# Allegro board LAY-38820_A.brd (continued)
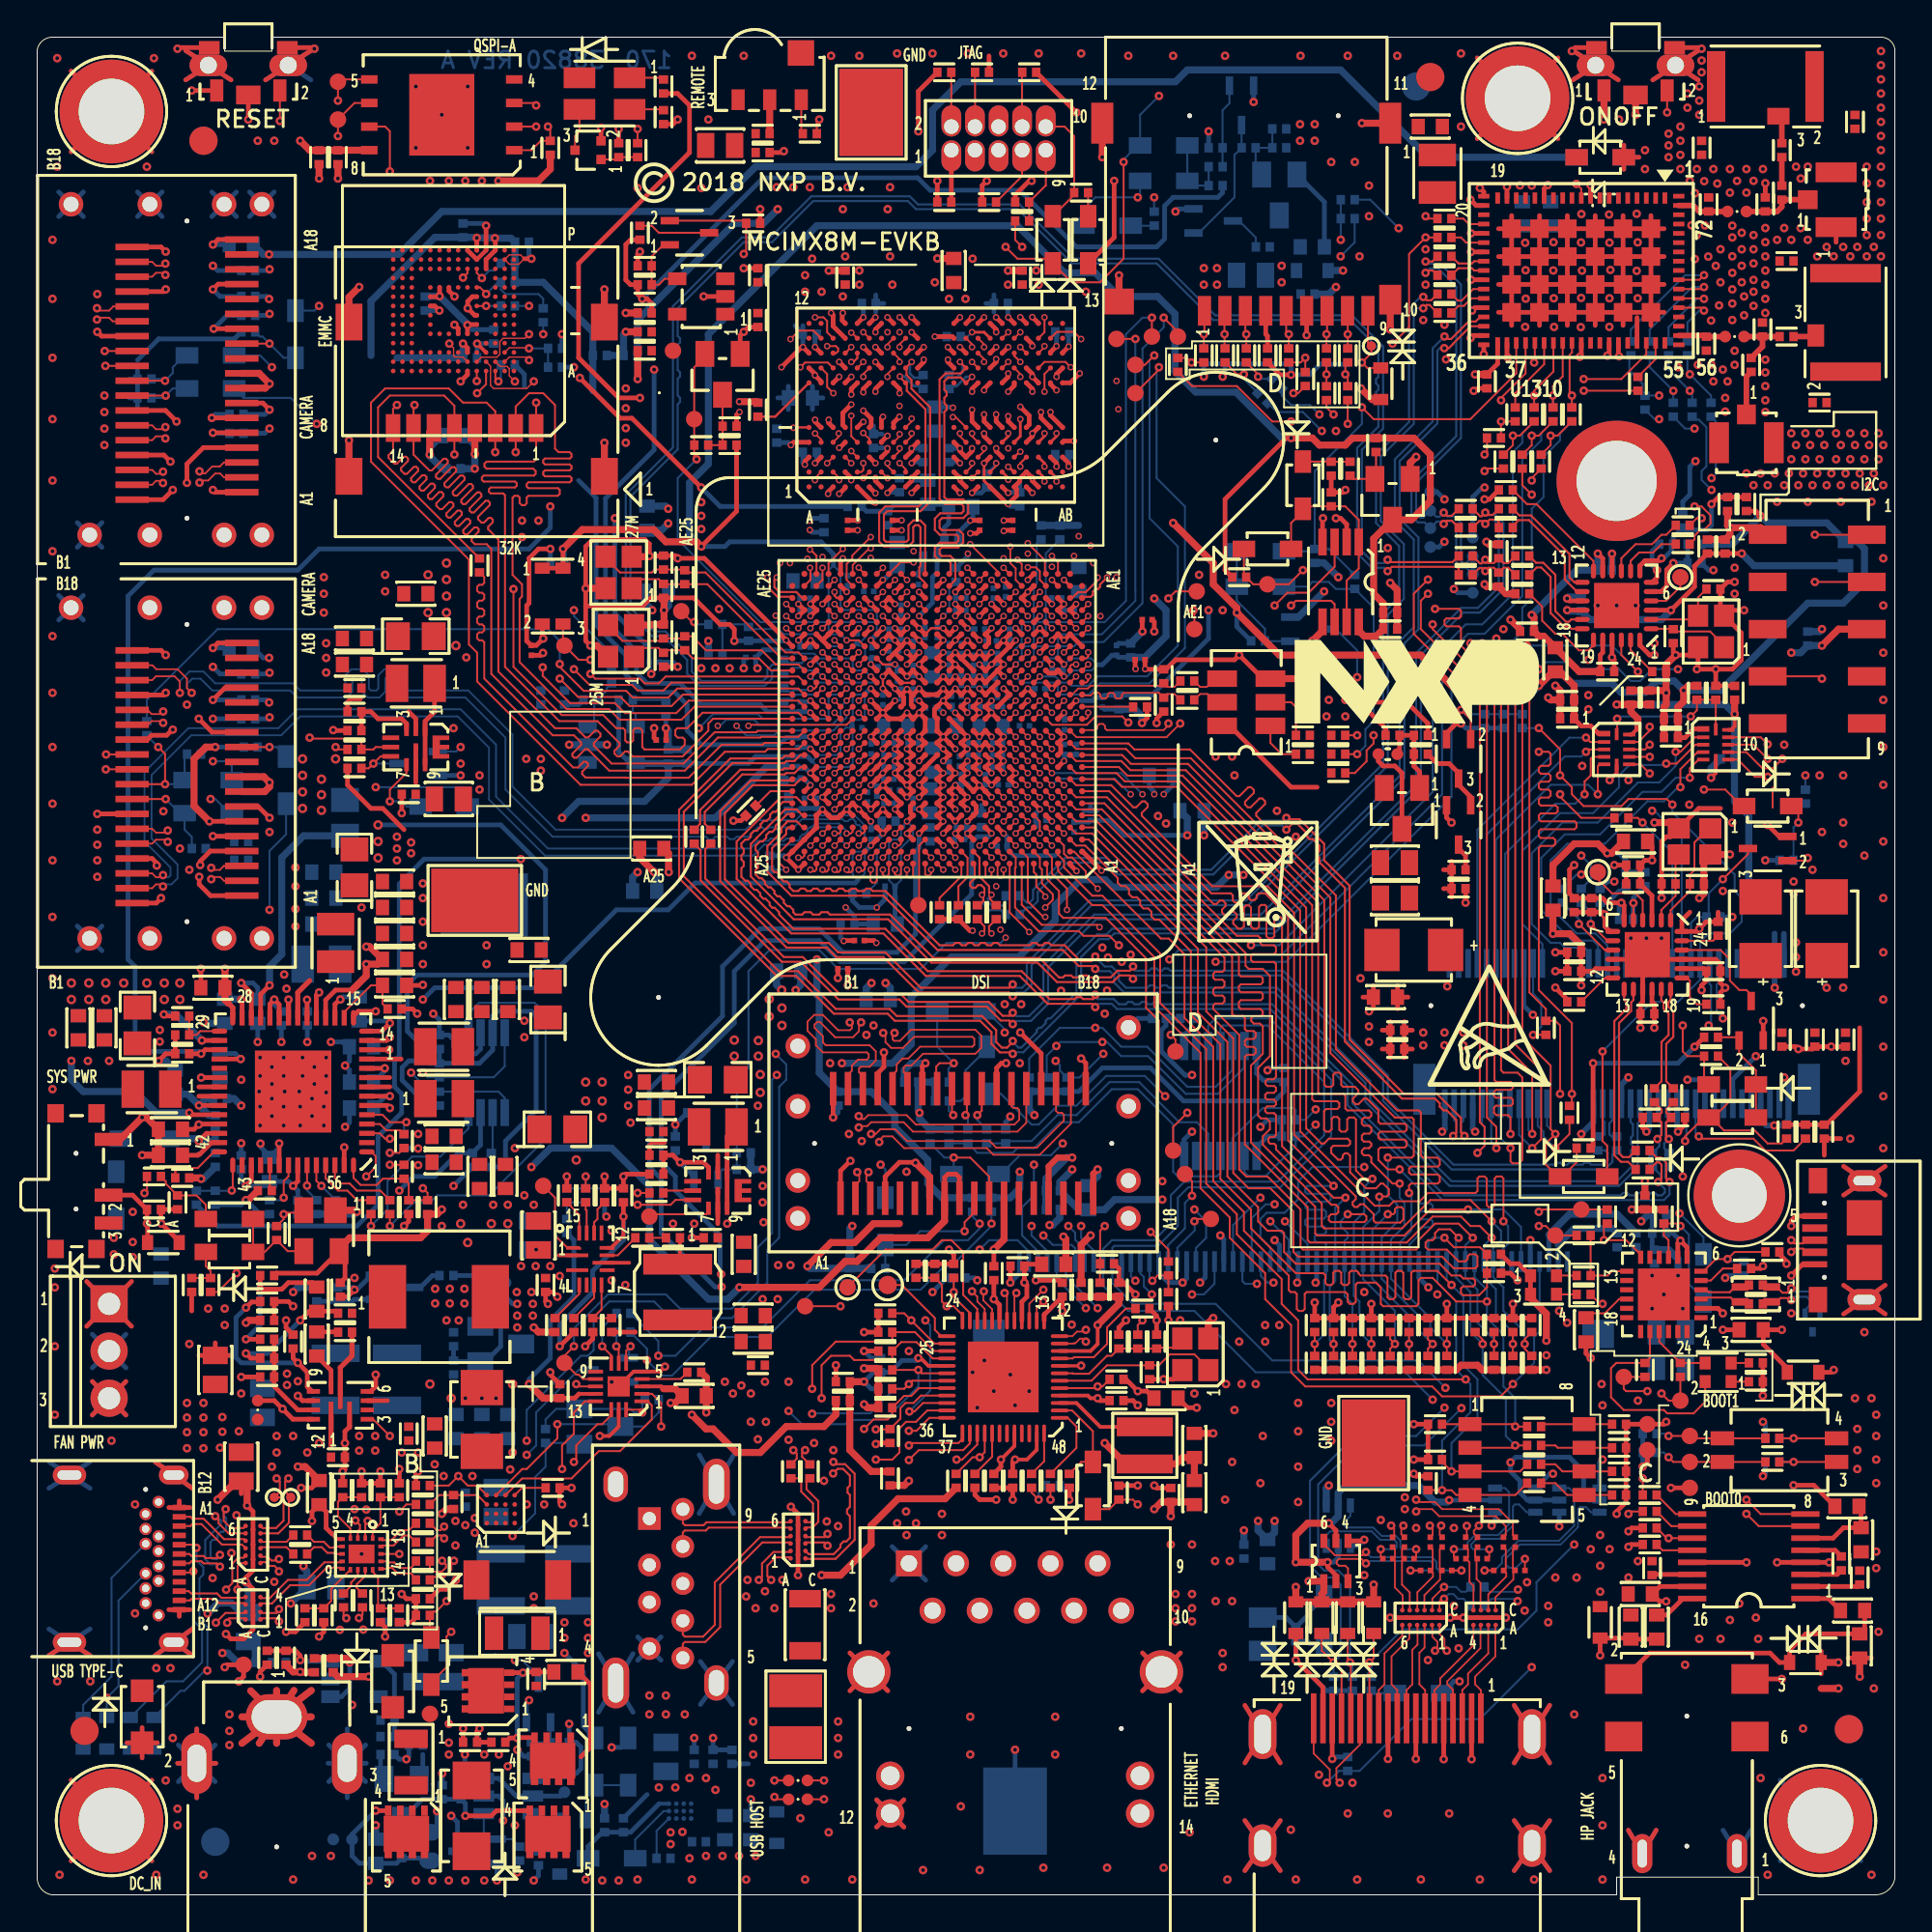
[diagram p0: board, top side]
## Routing (per net, layer and track width the routed paths; a pad name or vN(x,y) marks a point on that pad's centre or on a via; arc(x,y) is an arc through that point) (continued)
  BOTTOM w0.107: R1446.1 88.07,79.56 88.71,78.93 v1(89.22,78.93)
N103823996: length 24.8
  TOP w0.107: v1(93.15,60.18) 92.47,60.18 91.54,61.11 U1403.7
  L8_INT_3 w0.076: v1(93.15,60.18) 93.59,60.18 94.55,61.15 94.55,62.55 93.47,63.63 93.47,72.39 91.38,74.48 91.38,75.02 v1(90.13,76.26)
  BOTTOM w0.107: R1449.1 90.36,79.32 90.36,76.49 v1(90.13,76.26)
N103824335: length 15.3
  TOP w0.107: U1402.12 85.05,62.51 v1(85.05,63.31) ; U1403.12 R1451.1 R1450.2 89.34,63.77 v1(89.01,63.44) ; v1(89.72,59.5) 90.87,59.5 91.76,58.61 D1403.A
  L8_INT_3 w0.076: v1(89.72,59.5) 89.47,59.75 89.47,62.98 v1(89.01,63.44)
  BOTTOM w0.107: v1(89.01,63.44) 85.18,63.44 v1(85.05,63.31)
N103937829: length 2.2
  TOP w0.107: U706.6 29.98,32.13 R732.2
N103959207: length 4.5
  BOTTOM w0.254: U909.4 18.54,12.57 19.23,11.88 R902.2 R933.1
N104086960: length 1.9
  TOP w0.127: U101.V18 45.53,66.23 v2(46.18,66.23)
  BOTTOM w0.254: L104.2 46.32,66.09 v2(46.18,66.23) 45.93,66.23 C146.2
N104210444: length 18
  TOP w0.107: U101.AB14 v2(47.48,69.48) ; TP201.1 62.29,69.09 v1(62.24,69.14)
  L6_INT_2 w0.076: v1(62.24,69.14) 59.75,69.14 58.46,67.86 55.76,67.86 55.6,68.02 55.6,68.97 55.4,69.16 47.8,69.16 v2(47.48,69.48)
N104210445: length 15.6
  TOP w0.107: TP202.1 61.28,70.17 v1(60.9,69.79) ; U101.AC13 v2(48.77,70.13)
  L8_INT_3 w0.076: v2(48.77,70.13) 49.09,69.82 49.09,69.35 49.29,69.15 56.83,69.15 57.97,70.29 60.39,70.29 v1(60.9,69.79)
N104227606: length 3.5
  BOTTOM w0.107: D904.C 32.19,2.98 33.72,4.51 U905.A2
N104229370: length 2.4
  BOTTOM w0.107: U905.A3 33.34,3.44 R937.1
N104238302: length 1.9
  TOP w0.107: D1601.1 33.62,97.81 R1622.2
N104270741: length 7
  BOTTOM w0.254: 81.38,35.53 J1801.3
  BOTTOM w0.381: 81.38,35.53 82.49,36.64 85.05,36.64 R1804.1
N104271750: length 3
  TOP w0.107: v1(60.03,33.06) 60.31,33.34 R1802.1 R1803.1
  BOTTOM w0.107: J1801.46 59.88,33.21 v1(60.03,33.06)
N104279466: length 2.9
  TOP w0.107: U1401.8 84.53,51.36 v1(83.63,52.26)
  BOTTOM w0.107: v1(83.63,52.26) 83.63,52.9 R1452.2
N104279469: length 3.9
  TOP w0.107: v1(82.99,52.26) 84.4,50.86 U1401.9
  BOTTOM w0.107: v1(82.99,52.26) 82.99,52.52 R1453.2
N104332864: length 3
  TOP w0.107: Y501.2 67.5,64.2 67.76,63.94 R509.2
N104367931: length 3.4
  BOTTOM w0.107: U703.4 32.22,63.54 32.06,63.7 R758.1 33.71,64.32 R759.1
N104519577: length 4.2
  TOP w0.107: R418.1 R407.1 54.29,92.01 54.3,92.01 54.3,93.91 J401.9
N104595634: length 9
  TOP w0.102: R1012.2 v1(73.93,17.46) ; v1(71.53,17.84) 71.29,18.08 70.07,18.08 69.96,17.97 69.96,17.83 70.07,17.72 70.42,17.72 70.56,17.57 Q1001.3
  BOTTOM w0.102: v1(71.53,17.84) 71.65,17.97 74.99,17.97 75.12,17.84 75.12,17.56 75.02,17.46 v1(73.93,17.46)
N104595636: length 9
  TOP w0.102: Q1001.6 69.26,18.87 69.85,18.29 71.36,18.29 v1(71.53,18.45) ; v1(76.67,17.46) R1013.2
  BOTTOM w0.102: v1(76.67,17.46) 75.45,17.46 75.32,17.59 75.32,17.93 75.08,18.17 71.81,18.17 v1(71.53,18.45)
N104595703: length 6.4
  TOP w0.102: v1(72.33,18.6) 72.33,18.21 R1014.2
  BOTTOM w0.102: v1(72.33,18.6) 73.08,18.6 73.18,18.71 73.18,18.99 73.05,19.11 72.29,19.11 71.84,19.57 69.61,19.57 69.39,19.35 Q1002.3
N104595705: length 6.4
  TOP w0.102: R1015.2 74.23,18.21 v1(74.23,18.6)
  BOTTOM w0.102: v1(74.23,18.6) 73.48,18.6 73.38,18.71 73.38,19.07 73.13,19.32 72.38,19.32 71.92,19.77 70.47,19.77 70.34,19.9 70.34,20.05 70.69,20.4 Q1002.6
N104599354: length 9.2
  TOP w0.102: v1(77.91,17.46) R1016.2
  BOTTOM w0.102: Q1003.3 82.47,21.9 82.74,21.63 82.74,19.87 81.93,19.06 79.73,19.06 78.85,18.18 78.85,17.87 78.45,17.46 v1(77.91,17.46)
N104599356: length 9.1
  TOP w0.102: R1017.2 v1(80.09,18.08)
  BOTTOM w0.102: Q1003.6 83.64,20.6 83.37,20.87 83.04,20.87 82.94,20.77 82.94,19.79 82.01,18.86 79.82,18.86 79.06,18.1 79.06,17.79 79.23,17.61 79.61,17.61 v1(80.09,18.08)
N104599400: length 6.8
  TOP w0.102: R1018.2 76.26,18.21 v1(76.26,18.6)
  BOTTOM w0.102: v1(76.26,18.6) 76.9,18.6 77,18.71 77,18.96 77.41,19.37 78.64,19.37 79.23,19.96 79.23,21.68 79.02,21.9 Q1004.3
N104599402: length 6.8
  TOP w0.102: v1(78.17,18.6) 78.17,18.21 R1019.2
  BOTTOM w0.102: Q1004.6 80.19,20.6 79.77,21.02 79.56,21.02 79.44,20.9 79.44,19.87 78.73,19.16 77.49,19.16 77.2,18.88 77.2,18.71 77.3,18.6 v1(78.17,18.6)
N104602033: length 1.3
  BOTTOM w0.107: R1007.1 71.95,10.86 D1003.C
N104764716: length 3
  TOP w0.107: U1401.5 v1(85.93,53.39)
  BOTTOM w0.254: R1454.2 85.93,53.68 v1(85.93,53.39) 85.91,53.37 R1455.2
N104960202: length 2.9
  BOTTOM w0.107: U703.3 29.72,62.86 29.98,63.13 29.98,64.15 R760.2 30.67,64.84 30.67,64.97 R762.2
N104978637: length 1.6
  BOTTOM w0.254: Q702.3 20.64,32.7 21.27,33.34 R761.2
N105003630: length 1.5
  TOP w0.254: R1462.2 76.89,55.95 76.52,56.32 Q1404.3
N105003644: length 4.8
  TOP w0.254: 73.21,61.4 73.34,61.52 C1441.2 R1460.2 R1461.1 74.11,60.76 74.42,60.45 Q1402.1
N105003650: length 4.1
  TOP w0.254: R1461.2 75.37,60.9 76.01,60.9 76.52,60.39 Q1403.3 76.52,59.75 77.17,59.1 Q1404.2
N105003668: length 5.2
  TOP w0.107: Q1403.2 77.17,63.27 v1(76.64,63.79)
  BOTTOM w0.107: R1459.2 R1458.1 C1439.1 76.88,63.56 v1(76.64,63.79)
N105090550: length 4.9
  TOP w0.107: R1441.1 80.53,46.3 v1(80.53,46.29)
  BOTTOM w0.107: v1(80.53,46.29) 80.96,46.73 80.96,48.07 80.53,48.51 J1401.20
N105095140: length 2.1
  BOTTOM w0.114: J1401.35 84.28,41.71 84.38,41.6 84.38,40.94 84.27,40.82 C1421.2
N105095143: length 2.1
  BOTTOM w0.114: J1401.37 84.78,41.67 84.63,41.53 84.63,40.94 84.75,40.82 C1420.2
N105095283: length 9.1
  TOP w0.107: v1(86.42,57.72) 86.16,57.97 R1438.1
  BOTTOM w0.107: J1401.50 88.03,56.11 v1(86.42,57.72)
N105218199: length 10.4
  TOP w0.381: v1(46.93,22.29) 46.68,22.04 R1227.2
  L8_INT_3 w0.381: v1(46.93,22.29) 45.66,21.02 45.66,16.7 47.05,15.3 J1201.2
N105359085: length 8.9
  TOP w0.254: v1(23.81,8.95) 23.68,8.82 R943.2 R918.1
  L6_INT_2 w0.254: v1(23.81,8.95) 23.56,8.7 23.56,5.52 v1(22.29,4.25)
  BOTTOM w0.254: Q903.3 22.63,3.92 v1(22.29,4.25)
N105714351: length 1.6
  BOTTOM w0.107: Q704.3 36,41.84 R764.2
N106048338: length 7.7
  TOP w0.254: R918.2 25.43,8.44 v1(25.84,8.44) 25.87,8.47 Q908.4 ; Q909.4 v1(26.15,11.96) 26.18,11.99 R919.1 27.8,11.99 C935.2
  BOTTOM w0.254: v1(25.84,8.44) 25.84,11.66 v1(26.15,11.96)
N106073648: length 1.4
  BOTTOM w0.254: R942.1 18.48,6.43 Q902.1
N106076307: length 4.7
  BOTTOM w0.107: R947.2 28.24,2.93 D910.C 27.66,2.34 C933.1 26.68,2.65 U910.6
N106079136: length 2.8
  BOTTOM w0.107: U910.4 26.97,6.27 27.62,6.92 R946.2 R936.1
N106113334: length 1.3
  BOTTOM w0.107: R1436.1 60.13,89.85 D1405.A
N106166151: length 3.1
  BOTTOM w0.254: v1(21.53,4.51) 21.53,3.75 C937.1 20.89,3.36 20.25,2.72 R948.1
N106166194: length 8.2
  TOP w0.254: Q910.4 v1(18.22,4.53)
  BOTTOM w0.254: C937.2 21.01,1.97 R948.2 19.35,1.7 C936.2 17.35,1.7 16.95,2.1 R949.1 16.95,3.26 v1(18.22,4.53)
N106168740: length 3.9
  BOTTOM w0.107: R947.1 29.54,5.41 D903.C D902.C
N106625744: length 1.7
  BOTTOM w0.107: R1529.2 62.17,47.06 62.17,46.8 61.74,46.37 U1501.8
N106628163: length 2.2
  BOTTOM w0.107: U1502.6 24.52,40.01 R1528.2
N106881255: length 2
  TOP w0.114: U1301.27 77.36,87.94 77.23,87.82 76.51,87.82 C1301.2
N106881275: length 1.2
  TOP w0.305: R1306.2 95.69,83.88 E1301.3
N106881292: length 1.9
  TOP w0.114: C1302.2 76.51,87.56 77.23,87.56 77.36,87.44 U1301.28
N106881333: length 2.1
  TOP w0.107: U1301.31 77.21,85.94 76.8,85.53 76.51,85.53 C1311.2
N106881357: length 2.1
  TOP w0.107: U1301.30 77.31,86.44 76.68,85.82 76.48,85.82 C1312.2
N106881402: length 77.5
  TOP w0.114: U1301.34 77.16,84.44 76.22,83.5 76.22,83.48 75.99,83.26 v1(75.74,83.26) ; C1304.2 35.71,56.24 35.71,54.61 40.09,50.23 41.11,50.23 43.14,48.2 46.42,48.2 46.8,47.81 51.12,47.81 51.87,47.07 52.32,47.07 v1(52.51,46.88)
  BOTTOM w0.114: v1(52.51,46.88) 52.68,47.04 53.49,47.04 54.42,47.97 54.42,49.92 57.01,52.51 65.98,52.51 73.6,60.13 73.6,67.37 74.36,68.13 74.36,73.07 73.34,74.08 73.34,77.17 75.37,79.21 75.37,83.12 75.51,83.26 v1(75.74,83.26)
N106881423: length 77.2
  TOP w0.114: C1305.2 35.97,56.29 35.97,54.71 40.19,50.48 41.21,50.48 43.24,48.45 46.52,48.45 46.9,48.07 51.22,48.07 51.97,47.32 52.35,47.32 v1(52.51,47.48) ; U1301.33 77.68,84.94 77.44,84.69 77.06,84.69 76.11,83.75 75.95,83.75 75.81,83.89 v1(75.75,83.89)
  BOTTOM w0.114: v1(52.51,47.48) 52.52,47.48 52.71,47.3 53.39,47.3 54.16,48.07 54.16,50.03 56.9,52.77 65.87,52.77 73.34,60.24 73.34,67.48 74.1,68.24 74.1,72.96 73.09,73.98 73.09,77.28 75.12,79.31 75.12,83.25 v1(75.75,83.89)
N106881427: length 2.4
  TOP w0.305: R1302.2 92.01,81.73 J1301.1
N106881470: length 3.6
  TOP w0.107: v1(89.72,85.28) 89.57,85.44 U1301.60
  BOTTOM w0.107: v1(89.72,85.28) 89.47,85.28 88.84,84.64 R1312.2
N106881490: length 4.7
  TOP w0.107: U1301.61 89.7,85.94 v1(89.72,85.91)
  BOTTOM w0.107: R1313.2 87.82,84.39 89.34,85.91 v1(89.72,85.91)
N106881507: length 5.9
  TOP w0.107: U1301.62 89.61,86.44 v1(89.72,86.55)
  BOTTOM w0.107: v1(89.72,86.55) 89.09,86.55 86.8,84.26 R1314.2
N106881511: length 7.2
  TOP w0.107: U1301.63 89.48,86.94 v1(89.72,87.18)
  BOTTOM w0.107: v1(89.72,87.18) 88.71,87.18 85.79,84.26 R1315.2
N106881616: length 4.5
  TOP w0.107: R1317.2 v1(80.58,80.71) 80.58,80.96 81.62,82 U1301.43
  BOTTOM w0.107: R1317.2 v1(80.58,80.71)
N106881622: length 4.1
  TOP w0.107: R1316.2 79.56,80.83 81.12,82.39 U1301.42
N106881645: length 1.5
  TOP w0.305: R1309.1 R1304.2
N106881647: length 1.5
  TOP w0.305: E1302.3 93.92,95.56 R1309.2
N106881701: length 4.3
  TOP w0.107: R1318.2 v1(81.6,80.71) 81.6,81.22 82.12,81.74 U1301.44
  BOTTOM w0.107: R1318.2 v1(81.6,80.71)
N106881724: length 4.2
  TOP w0.107: U1301.45 82.62,83.02 82.49,82.89 82.49,80.83 v1(82.61,80.71) R1319.2
  BOTTOM w0.107: R1319.2 v1(82.61,80.71)
N106881789: length 1.9
  TOP w0.107: R1305.2 76.64,89.22 76.92,88.94 U1301.25
N106881836: length 1.9
  TOP w0.107: R1320.2 76.77,90.23 77.06,89.94 U1301.23
N106881887: length 2.2
  TOP w0.107: U1301.54 87.12,82.67 R1321.2
N106881908: length 8.7
  TOP w0.254: R1347.2 C1315.1 90.51,75.24 v1(90.13,74.87) ; U1302.7 86.28,71.54 86.55,71.82 87.31,71.82 v1(87.44,71.94)
  BOTTOM w0.254: v1(90.13,74.87) 90.13,73.72 89.88,73.47 88.72,73.47 R1346.2 88.07,73.09 C1316.1 87.97,72.61 87.97,72.35 87.57,71.94 v1(87.44,71.94)
N106881980: length 19.5
  TOP w0.254: U1302.3 87.94,69.16 v1(87.95,69.15) 89.22,70.42 89.22,71.52 C1322.1 C1321.1 v1(91.76,72.21) ; v1(82.36,69.16) U1302.16
  BOTTOM w0.381: v1(91.76,72.21) 92.41,71.55 L1307.1 ; v1(82.36,69.16) 82.41,69.11 C1320.1 83.58,68.64 87.44,68.64 v1(87.95,69.15)
N106882151: length 13.6
  TOP w0.254: v1(84.01,72.2) 84.28,71.93 U1302.11 ; U1302.20 84.28,66.88 84.14,66.74 C1318.1
  TOP w0.381: C1318.1 83.01,65.85 L1306.2 81.1,67.75 80.83,67.75 C1317.1 80.57,68.78 v1(80.45,68.9)
  BOTTOM w0.381: v1(84.01,72.2) 84.02,72.19 C1319.1 82.87,71.31 v1(80.45,68.9)
N106882181: length 4.2
  TOP w0.254: 85.41,92.89 D1302.A ; D1302.A 85.41,94.18 ; D1302.A 86.22,93.53
  BOTTOM w0.254: D1302.A 86.22,93.53 ; D1302.A 85.41,92.89 ; D1302.A 85.41,94.18
  vias: v1(86.55,93.92) v1(86.55,92.9)
N106882183:
  vias: v1(79.82,92.02) v1(80.45,92.01)
N106882420: length 4.4
  TOP w0.107: Y1301.1 90.81,67.26 90.06,68.01 88.19,68.01 C1323.1 88.05,68.16 U1302.1
N106882454: length 4.2
  TOP w0.107: U1302.2 89.2,68.65 Y1301.3 89.41,69.84 C1324.1
N106882458: length 6.1
  TOP w0.114: R1331.1 79.79,74.26 80.41,74.26 82.49,72.18 82.49,70.92 82.75,70.65 U1302.13
N106882530: length 6.3
  TOP w0.114: R1332.1 79.43,73.69 79.74,74 80.3,74 82.23,72.07 82.23,70.81 82.89,70.16 U1302.14
N106882587: length 3.3
  TOP w0.107: R1326.2 87.44,72.71 86.99,72.26 86.23,72.26 85.78,71.81 U1302.8
N106882598: length 4.3
  TOP w0.107: U1302.9 85.28,71.94 86.04,72.71 86.93,72.71 87.44,73.21 87.7,73.21 R1327.2
N106882615: length 5.5
  TOP w0.114: R1333.1 80.69,71.71 81.07,71.71 81.72,71.06 81.72,69.11 82.3,68.53 82.46,68.53 82.58,68.65 U1302.17
N106882658: length 5.5
  TOP w0.114: R1334.1 80.72,71.45 80.97,71.45 81.47,70.95 81.47,69 82.19,68.28 82.46,68.28 82.58,68.16 U1302.18
N106882719: length 6.5
  TOP w0.107: R1328.2 80.19,74.87 80.71,74.87 83.78,71.8 U1302.12
N106882743: length 2.4
  TOP w0.107: TP1301.1 88.45,70.42 87.69,69.65 U1302.4
N106882771: length 5.6
  TOP w0.107: U1302.19 83.78,67.27 83.5,66.99 82.99,66.99 82.1,67.88 81.72,67.88 81.01,68.59 81.01,69.35 R1329.2
N106882824: length 2.2
  TOP w0.107: U1302.23 85.78,67.01 R1330.2
N106882988: length 4.1
  TOP w0.254: v1(88.07,71.69) 87.72,71.34 87.72,70.45 87.43,70.16 U1302.5
  BOTTOM w0.254: R1344.2 R1345.2 v1(88.07,71.69)
N106883047: length 6.8
  BOTTOM w0.107: 64.58,72.33 64.58,69.66 66.1,68.14 R1342.2 66.11,67.49 Q1301.2

## Copper pours and planes (outline as drawn; the poured copper is in the pictures)
GND on TOP: 97.73,45.91 97.85,45.78 97.85,43.5 96.2,41.85 93.66,41.85 93.41,42.1 93.41,45.66 93.66,45.91
GND on TOP: 0.7,0.57 0.57,0.7 0.57,13.65 0.95,14.03 3.75,14.03 4,14.29 4,15.3 4.25,15.56 9.59,15.56 9.71,15.43 9.71,14.41 10.22,13.91 10.22,12.89 10.1,12.76 9.08,12.76 8.44,12.13 4.51,12.13 4.25,11.87 4.25,9.84 4.76,9.33 9.71,9.33 9.97,9.08 9.97,1.84 10.6,1.21 17.21,1.21 17.46,0.95 31.43,0.95 34.86,4.38 42.61,4.38 43.62,5.4 54.67,5.4 57.34,2.73 60.64,2.73 64.07,6.16 64.07,11.11 64.58,11.62 66.99,11.62 67.63,10.98 67.63,5.65 68.26,5.02 78.04,5.02 79.06,6.03 79.06,10.86 79.31,11.11 81.72,11.11 83.5,9.33 83.5,7.43 84.39,6.54 87.06,6.54 87.31,6.29 87.31,1.46 87.18,1.33 84.77,1.33 84.64,1.21 84.64,0.82 84.39,0.57
GND on TOP: 37.65,36.77 37.53,36.89 37.53,39.18 37.65,39.31 39.43,39.31 39.56,39.18 39.56,36.89 39.43,36.77 ; 2 cut-outs
GND on TOP: 20.38,41.34 21.53,41.34 21.65,41.21 21.65,38.92 21.53,38.8 20.38,38.8 20.26,38.92 20.26,41.21
GND on TOP: 20,12.25 19.87,12.13 18.35,12.13 17.46,13.02 15.81,13.02 15.56,13.27 15.56,13.91 15.81,14.16 15.83,14.16 16.18,14.5 17.95,14.5 18.29,14.16 19.75,14.16 20,13.91
GND on TOP: outline of 99 points within 87.49,17.21 99.76,83.88
GND on TOP: 31.11,36.84 31.22,36.73 31.22,35.6 30.79,35.17 30.29,35.17 30.26,35.2 30.26,36.18 30.38,36.3 30.38,36.74 30.48,36.84
GND on TOP: 31.81,33.21 31.81,31.71 31.65,31.55 30.84,31.55 30.72,31.67 30.72,33.39 30.63,33.48 30.1,33.48 30.06,33.52 30.06,33.73 30.1,33.76 31.27,33.76
GND on TOP: outline of 130 points within 0.57,42.99 93.41,99.63
GND on TOP: 26.48,38.42 27.62,37.27 27.62,35.88 27.49,35.75 26.48,35.75 26.35,35.88 26.35,36.13 25.72,36.77 22.41,36.77 22.03,37.15 22.03,38.04 22.41,38.42
GND on TOP: 78.89,90.7 87.2,90.7 87.64,90.25 87.64,84.49 87.32,84.16 78.73,84.16 78.46,84.43 78.46,90.26
GND on TOP: 16.83,65.72 16.95,65.59 16.95,64.83 16.83,64.71 15.3,64.71 15.18,64.83 15.18,71.06 15.56,71.44 20,71.44 20.13,71.31 20.13,69.53 20,69.4 17.59,69.4 16.83,68.64
GND on TOP: 43.62,9.59 43.88,9.33 43.88,6.79 43.75,6.67 38.42,6.67 38.29,6.79 38.29,9.46 38.42,9.59
GND on TOP: 22.29,60.64 21.4,60.64 21.27,60.77 21.27,62.93 21.4,63.05 23.94,63.05 24.07,62.93 24.07,58.1 23.94,57.97 22.54,57.97 22.41,58.1 22.41,60.51 ; 2 cut-outs
GND on TOP: 98.23,97.98 98.23,95.57 97.47,95.57 97.47,97.98 96.2,97.98 96.2,95.44 95.19,95.44 95.19,99.63 96.2,99.63 96.2,99.25 98.87,99.25 98.87,99.63 99.25,99.63 99.63,99.25 99.63,86.8 95.44,86.8 95.44,87.69 94.3,87.69 94.3,88.33 95.44,88.33 95.44,88.84 93.28,88.84 93.28,88.33 94.04,88.33 94.04,87.57 93.28,87.57 93.28,84.64 93.15,84.52 90.74,84.52 90.5,84.28 88.09,84.28 88.04,84.33 88.04,85.06 88.07,85.09 88.9,85.09 89.09,84.9 89.85,84.9 90.23,85.28 90.23,87.31 89.98,87.57 89.47,87.57 89.22,87.31 87.95,87.31 87.95,87.57 88.71,87.57 88.96,87.82 88.96,89.09 88.71,89.34 87.95,89.34 87.95,90.49 88.07,90.61 88.96,90.61 89.47,90.11 94.04,90.11 94.17,90.23 98.23,90.23 98.23,92.14 94.42,92.14 94.42,93.28 97.47,93.28 97.47,95.31 98.23,95.31 98.23,93.28 98.74,93.28 98.74,97.98
GND on TOP: 81.47,15.94 80.45,15.94 80.2,16.19 80.2,17.84 80.58,18.22 88.07,18.22 88.2,18.1 90.23,18.1 90.49,18.35 90.49,19.11 90.74,19.37 93.66,19.37 93.92,19.11 93.92,18.22 94.04,18.1 96.58,18.1 96.71,17.97 96.71,17.84 96.58,17.72 94.17,17.72 93.92,17.46 93.92,13.78 93.53,13.4 88.71,13.4 88.45,13.65 88.45,14.79 88.71,15.05 90.11,15.05 90.49,15.43 90.49,17.46 90.23,17.72 86.55,17.72 86.42,17.59 86.42,14.92 86.17,14.67 84.9,14.67 84.39,15.18 82.23,15.18
GND on TOP: 27.75,32.7 27.88,32.83 27.88,33.34 28.51,33.97 29.65,33.97 29.7,33.92 29.7,33.51 29.65,33.46 28.89,33.46 28.76,33.34 28.76,32.19 28,31.43 26.48,31.43 26.35,31.56 26.35,32.57 26.48,32.7
GND on TOP: 73.09,47.18 73.09,44.89 72.96,44.77 72.33,44.77 70.93,46.16 70.93,52.01 71.18,52.26 73.21,52.26 73.6,51.88 73.6,49.59 73.34,49.34 72.96,49.34 72.33,48.7 72.33,47.94
GND on TOP: 0.57,23.56 0.57,33.59 0.82,33.84 7.43,33.84 7.68,33.59 7.68,32.07 7.94,31.81 10.48,31.81 10.73,31.56 10.73,28.76 10.48,28.51 7.56,28.51 7.17,28.13 7.17,24.07 8.32,22.92 11.62,22.92 11.87,22.67 11.87,21.14 11.49,20.76 9.46,20.76 9.33,20.64 7.17,20.64 7.05,20.51 5.4,20.51 4.76,21.14 4.76,22.92 4.38,23.3 0.82,23.3
GND on TOP: 33.08,44.51 33.08,41.59 33.21,41.46 33.21,40.83 33.08,40.7 31.56,40.7 31.43,40.83 31.43,44.51 31.56,44.64 32.96,44.64
GND on TOP: 24.7,21.27 25.84,21.27 26.22,21.65 26.86,21.65 26.99,21.53 28.38,21.53 28.51,21.65 28.51,22.03 28.64,22.16 29.15,22.16 29.27,22.03 29.27,20.64 29.15,20.51 27.11,20.51 26.8,20.82 24.64,20.82 24.57,20.89 24.57,21.14
GND on TOP: 73.98,26.86 74.36,26.48 74.36,21.91 74.1,21.65 69.15,21.65 67.25,19.75 67.25,18.99 66.99,18.73 63.56,18.73 63.18,19.11 63.18,26.22 63.82,26.86
GND on TOP: 1.59,46.93 1.46,47.05 1.46,49.34 1.59,49.47 4.13,49.47 4.25,49.34 4.25,47.05 4.13,46.93
GND on TOP: 95.82,13.27 99.25,13.27 99.38,13.14 99.38,10.6 99,10.22 95.95,10.22 95.69,10.48 95.69,13.14
GND on TOP: 37.27,33.21 37.27,34.23 37.4,34.35 40.83,34.35 40.96,34.23 40.96,33.34 40.7,33.08 37.4,33.08
GND on TOP: 29.78,71.18 30.03,70.93 31.05,70.93 31.18,70.8 31.18,69.28 31.05,69.15 29.91,69.15 29.78,69.02 29.78,67.75 30.16,67.37 31.18,67.37 31.3,67.25 31.3,65.98 31.18,65.85 30.29,65.85 30.16,65.98 30.16,66.48 29.91,66.74 29.4,66.74 29.02,67.12 29.02,72.33 29.78,73.09 32.96,73.09 33.21,72.83 33.21,71.69 32.96,71.44 31.56,71.44 31.43,71.56 31.43,72.58 31.18,72.83 29.91,72.83 29.78,72.71
GND on TOP: 55.31,71.06 55.31,73.09 55.56,73.34 57.21,73.34 57.34,73.21 57.34,71.56 56.83,71.06 56.83,70.67 56.45,70.29 56.07,70.29
GND on TOP: 20.51,49.97 19.62,49.97 19.49,50.1 19.49,55.18 19.62,55.31 25.97,55.31 26.22,55.05 26.22,48.7 25.97,48.45 22.03,48.45
GND on TOP: 41.46,70.93 40.83,70.29 40.45,70.29 40.19,70.55 40.19,70.93 39.69,71.44 39.69,71.94 39.94,72.2 41.46,72.2 41.59,72.07 41.59,71.69 41.46,71.56
GND on TOP: 20.64,24.7 20.76,24.57 22.41,24.57 22.8,24.95 25.84,24.95 25.97,24.83 25.97,23.18 25.08,22.29 23.3,22.29 22.92,22.67 21.27,22.67 20.89,23.05 20,23.05 19.62,22.67 19.11,22.67 18.6,23.18 16.45,23.18 16.32,23.3 16.32,25.21 16.7,25.59 16.7,26.61 16.95,26.61 16.95,25.34 17.21,25.08 18.99,25.08 19.37,24.7
GND on TOP: 14.29,28 14.29,26.86 14.41,26.73 15.3,26.73 15.36,26.68 15.36,26.5 15.31,26.45 14.29,26.45 14.08,26.45 13.18,27.35 13.18,28.16 13.29,28.26 14.03,28.26
GND on TOP: 40.58,32.32 40.7,32.19 40.7,27.62 40.45,27.37 39.05,27.37 38.92,27.49 38.92,29.15 38.8,29.27 38.8,32.19 38.92,32.32
GND on TOP: 44,16.57 44.13,16.45 44.13,15.3 43.88,15.05 38.16,15.05 37.91,15.3 37.91,16.32 38.16,16.57
GND on BOTTOM: 26.35,55.18 26.73,54.8 26.73,50.23 26.35,49.85 20.38,49.85 20.13,50.1 20.13,54.42 20.89,55.18
GND on BOTTOM: 46.67,58.61 48.83,58.61 48.96,58.48 48.96,57.72 48.45,57.21 47.81,57.21 46.93,58.1 46.67,58.1 46.42,57.85 46.42,57.59 46.29,57.47 46.04,57.47 45.91,57.59 45.91,58.86 46.04,58.99 46.29,58.99
GND on BOTTOM: 15.96,40.95 15.96,45.53 11.62,45.53 11.62,40.95 11.97,40.95 11.98,40.95
GND on BOTTOM: 7.68,12 5.27,12 4.76,12.51 4.76,15.3 4.89,15.43 8.06,15.43 8.19,15.3 8.19,14.79 8.57,14.41 8.57,12.89
GND on BOTTOM: 44.51,59.12 44.51,61.4 44.64,61.53 45.02,61.53 45.27,61.78 45.27,62.42 45.15,62.55 44.39,62.55 44.26,62.67 44.26,62.93 44.39,63.05 44.51,63.05 45.15,63.69 45.15,64.07 45.27,64.2 45.78,64.2 46.04,64.45 46.29,64.45 46.42,64.58 47.69,64.58 47.81,64.71 48.07,64.71 48.07,63.82 48.58,63.31 48.58,62.67 48.45,62.55 47.94,62.55 47.69,62.29 47.69,61.53 47.56,61.4 47.43,61.4 47.31,61.53 47.31,62.29 47.43,62.42 47.43,63.31 47.31,63.44 46.16,63.44 45.91,63.18 45.91,62.55 45.78,62.42 45.78,59.88 46.04,59.63 46.04,59.37 45.78,59.37 45.66,59.5 45.02,59.5 44.89,59.37 44.89,59.12
GND on BOTTOM: 62.17,87.06 62.17,88.33 62.42,88.58 64.96,88.58 65.09,88.45 65.09,86.04 64.96,85.91 63.31,85.91
GND on BOTTOM: 26.1,23.3 25.59,22.8 25.59,21.65 25.34,21.4 20.76,21.4 19.37,22.8 19.37,24.83 19.11,25.08 18.1,25.08 17.84,25.34 17.84,26.86 17.97,26.99 21.53,26.99 21.65,26.86 21.65,25.46 22.03,25.08 25.97,25.08 26.1,24.95
GND on BOTTOM: 12.76,56.96 12.25,56.45 12.25,55.18 12.13,55.05 11.24,55.05 11.11,55.18 11.11,57.34 12,58.23 12.64,58.23 12.76,58.1
GND on BOTTOM: 40.83,71.94 41.08,71.69 41.08,69.79 41.21,69.66 41.21,68.9 41.08,68.77 39.31,68.77 38.54,69.53 38.54,71.69 38.8,71.94
GND on BOTTOM: 29.4,67.88 30.42,66.86 30.42,64.83 30.16,64.58 26.86,64.58 25.72,65.72 25.72,67.63 25.97,67.88
GND on BOTTOM: 44.77,69.28 44.13,69.91 44.13,70.55 43.88,70.8 43.5,70.8 43.37,70.93 43.37,73.47 43.75,73.85 44.39,73.85 44.51,73.98 47.69,73.98 47.94,73.72 47.94,71.94 47.81,71.82 47.31,71.82 46.93,72.2 45.66,72.2 45.15,71.69 45.15,71.06 44.64,70.55 44.64,69.91 45.02,69.53 45.02,69.4 44.89,69.28
GND on BOTTOM: 40.83,82.23 40.83,80.07 40.58,79.82 38.92,79.82 37.65,81.09 37.65,84.01 38.8,85.15 41.08,85.15 41.46,84.77 41.46,82.87
GND on BOTTOM: 25.84,38.04 27.37,38.04 27.49,37.91 27.49,35.88 27.37,35.75 25.84,35.75 25.72,35.88 25.72,37.91
GND on BOTTOM: 10.98,28.26 14.16,28.26 14.29,28.13 14.29,26.73 14.16,26.61 10.98,26.61 10.73,26.86 10.73,28
GND on BOTTOM: 51.75,62.42 51.62,62.55 51.62,63.44 51.75,63.56 51.75,63.94 52.01,64.2 52.01,64.83 51.88,64.96 51.88,65.21 51.75,65.34 51.37,65.34 51.24,65.47 48.83,65.47 48.58,65.21 47.81,65.21 47.69,65.34 46.8,65.34 46.67,65.47 46.67,65.72 46.8,65.85 47.56,65.85 47.69,65.98 48.58,65.98 48.7,65.85 49.97,65.85 50.23,66.1 50.23,66.36 50.61,66.36 50.74,66.48 51.88,66.48 52.01,66.61 52.01,67.12 51.75,67.37 51.5,67.37 51.5,67.75 51.37,67.88 50.99,67.88 50.86,68.01 50.86,68.26 50.99,68.39 51.37,68.39 52.01,67.75 52.77,67.75 52.89,67.63 52.89,67.5 52.77,67.37 52.64,67.37 52.51,67.25 52.51,65.59 52.64,65.47 52.64,63.69 53.02,63.31 53.02,62.55 52.51,62.04 52.51,60.39 52.26,60.13 52.13,60.13 51.88,59.88 51.88,59.63 50.61,59.63 50.61,59.88 51.5,59.88 51.75,60.13
GND on BOTTOM: outline of 262 points within 0.57,0.57 99.63,99.63 ; 4 cut-outs
GND on BOTTOM: 13.52,55.56 13.65,55.69 15.05,55.69 15.18,55.56 15.18,51.88 15.05,51.75 13.65,51.75 13.52,51.88
GND on BOTTOM: 55.82,71.06 55.69,71.18 55.69,73.72 55.82,73.85 57.47,73.85 57.59,73.72 57.59,71.31 57.34,71.06
GND on BOTTOM: 49.97,64.58 50.23,64.58 50.35,64.45 50.35,63.56 50.23,63.44 50.23,62.42 50.35,62.29 50.35,60.39 50.23,60.26 48.96,60.26 48.83,60.13 47.56,60.13 47.31,60.39 47.31,60.64 47.43,60.77 47.69,60.77 47.81,60.9 48.58,60.9 48.83,60.64 49.34,60.64 49.47,60.77 49.47,60.9 49.85,60.9 49.97,61.02 49.97,63.44 49.85,63.56 49.85,63.69 49.59,63.94 49.59,64.71 49.85,64.71
GND on BOTTOM: 50.23,67.75 50.23,67.37 50.1,67.25 48.83,67.25 48.58,67.5 47.69,67.5 47.56,67.37 46.8,67.37 46.54,67.12 46.54,66.79 46.49,66.74 46.25,66.74 46.22,66.78 46.22,67.19 46.16,67.25 45.53,67.25 45.4,67.37 45.4,67.63 45.53,67.75 46.93,67.75 47.05,67.88 50.1,67.88
GND on BOTTOM: 53.53,70.67 53.4,70.55 52.64,70.55 52.26,70.17 51.24,70.17 50.86,70.55 50.86,72.2 51.12,72.45 53.28,72.45 53.53,72.2
GND on L3_POWER_1: outline of 86 points within 0.57,0.57 99.63,99.63
GND on L4_INT_1: 0.7,0.57 0.57,0.7 0.57,22.67 0.7,22.8 8.7,22.8 10.35,21.14 10.35,18.86 10.1,18.6 10.1,17.21 10.35,16.95 10.35,15.68 9.71,15.05 9.71,14.41 10.35,13.78 10.35,7.68 14.92,3.11 39.94,3.11 40.96,4.13 40.96,13.78 46.04,18.86 60.77,18.86 62.04,17.59 62.04,11.24 62.8,10.48 66.23,10.48 67.25,11.49 67.25,27.62 77.79,38.16 77.79,62.55 72.45,67.88 61.78,67.88 61.4,68.26 61.4,82.23 58.1,85.53 58.1,91.12 55.31,93.92 55.31,95.95 54.67,96.58 47.69,96.58 46.16,95.06 15.94,95.06 13.14,92.26 13.14,90.23 12.76,89.85 0.82,89.85 0.57,90.11 0.57,99.25 0.7,99.38 7.17,99.38 7.3,99.5 9.97,99.5 9.97,99.12 12.76,99.12 12.76,99.5 16.95,99.5 16.97,99.49 71.3,99.49 71.31,99.5 71.48,99.5 71.5,99.49 73.98,99.49 73.99,99.5 84.64,99.5 84.64,99.12 87.44,99.12 87.44,99.5 99.25,99.5 99.5,99.25 99.5,39.81 99.63,39.69 99.63,28.64 99.38,28.38 99.38,0.7 99.25,0.57 92.9,0.57 92.9,1.33 84.64,1.33 84.64,0.57
GND on L5_GND_2: 0.51,0.51 0.51,99.49 9.97,99.49 9.97,99.12 12.76,99.12 12.76,99.49 74.1,99.49 74.11,99.5 84.64,99.5 84.64,99.12 87.44,99.12 87.44,99.63 99.35,99.63 99.63,99.35 99.63,28.64 99.49,28.5 99.49,0.51 92.9,0.51 92.9,1.33 84.64,1.33 84.64,0.51 ; 1 cut-out
GND on L6_INT_2: outline of 143 points within 0.57,0.57 99.63,99.63 ; 1 cut-out
GND on L7_GND_3: 0.51,0.51 0.51,99.49 9.97,99.49 9.97,99.12 12.76,99.12 12.76,99.49 74.1,99.49 74.11,99.5 84.64,99.5 84.64,99.12 87.44,99.12 87.44,99.63 99.35,99.63 99.63,99.35 99.63,28.64 99.49,28.5 99.49,0.51 92.9,0.51 92.9,1.33 84.64,1.33 84.64,0.51 ; 1 cut-out
